# Altium PCB Monitor_Board.PcbDoc (part 5 of 5)
Units mm, origin at the board's own origin, x right, y up, seen from the top; angles counter-clockwise.
Board outline 99.59 x 64.16 mm, 4 copper layers (Top Layer, GND02, PWR03, Bottom Layer), stack 0.603 mm thick; 84 components, 146 nets, 502 pads, 244 vias.
Unrouted connection lines stored in the file: 39.
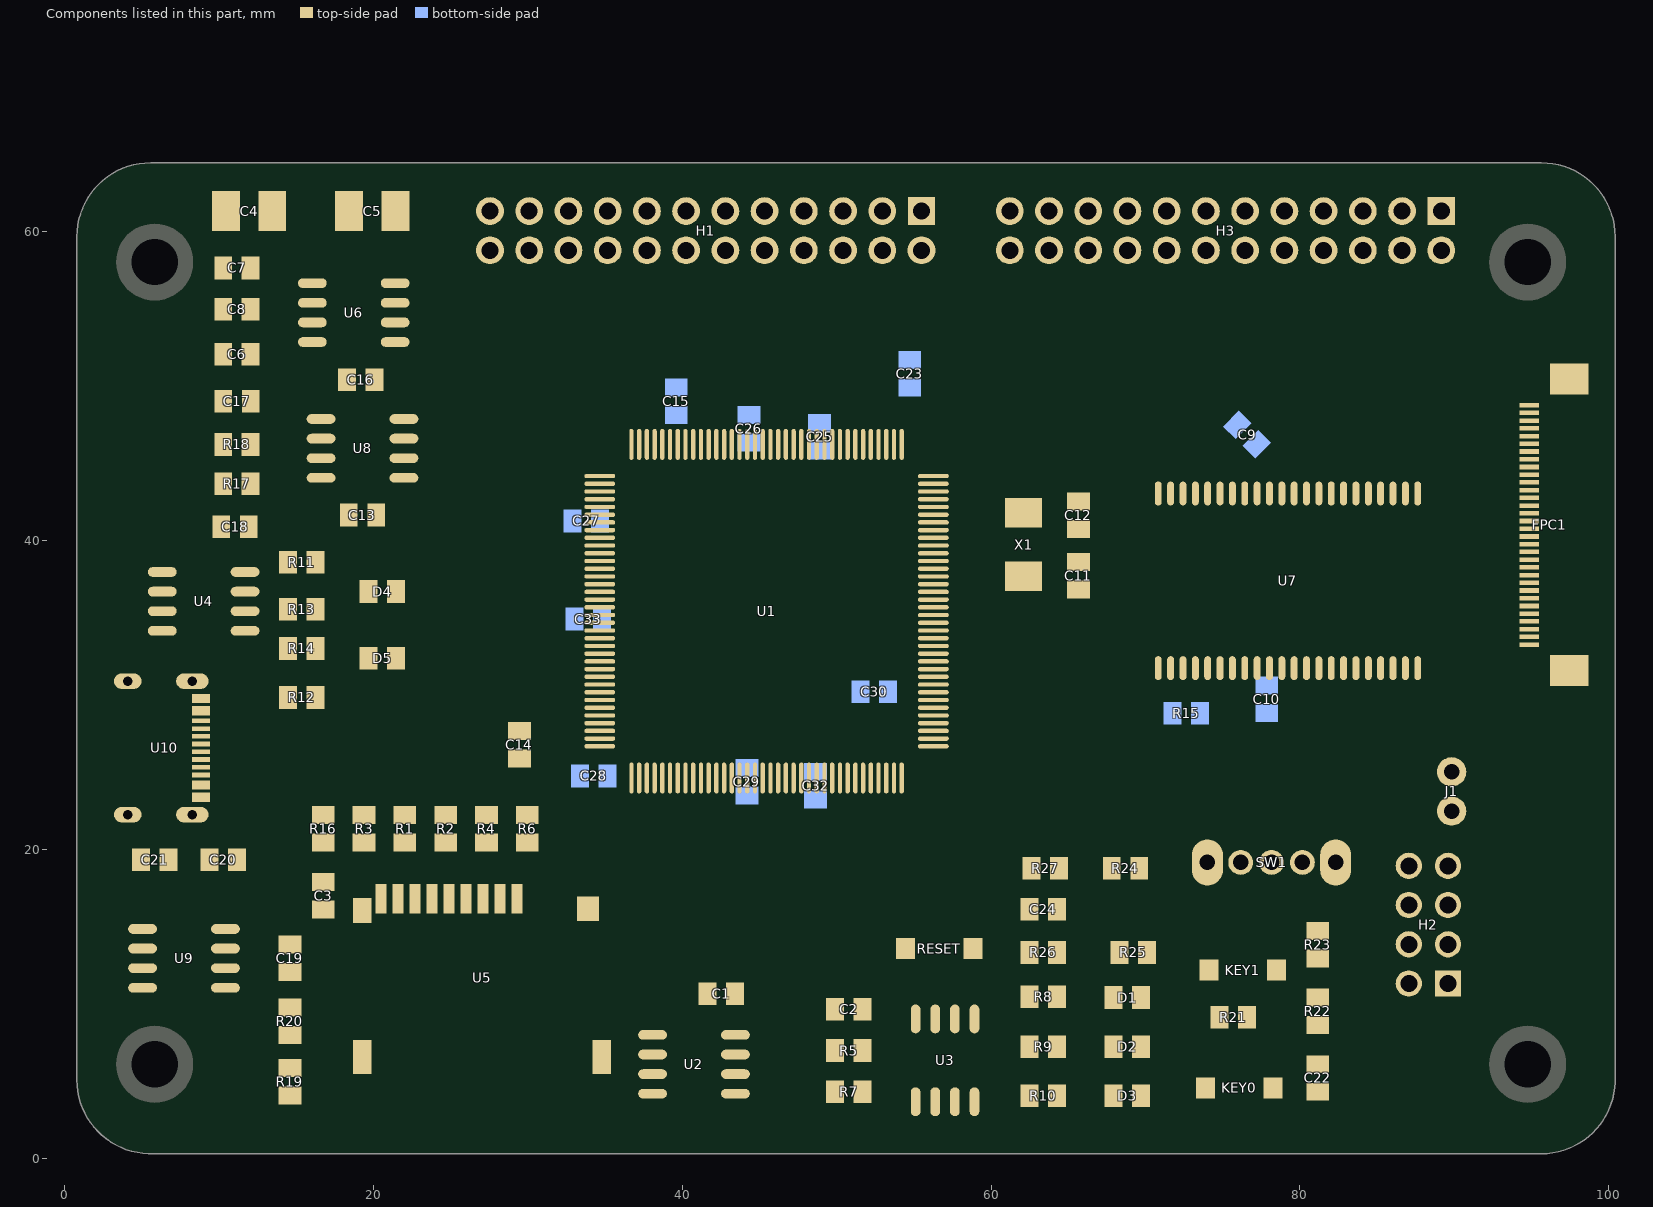
[diagram p7: the components of this part, seen from the top]

## Silkscreen, mask and mechanical layers (free items; w line width, h text height)
Top Overlay:
  lines w0.152: 17.137,33.02 18.034,33.02 18.034,31.369 ; 17.138,35.56 17.907,35.56 17.907,39.37 18.161,39.37
  text "+5V" at 54.737,56.642 h1.02
  text "PB10" at 44.323,56.515 h1.02
  text "PC4" at 46.99,56.515 h1.02
  text "PA6" at 49.53,56.515 h1.02
  text "PA4" at 52.07,56.515 h1.02
  text "PA2" at 60.579,56.515 h1.02
  text "PA0" at 63.119,56.515 h1.02
  text "PC2" at 65.532,56.515 h1.02
  text "PC0" at 68.199,56.515 h1.02
  text "GND" at 75.565,56.515 h1.02
  text "+5V" at 78.232,56.515 h1.02
  text "+5V" at 80.899,56.515 h1.02
  text "PC14" at 83.185,56.515 h1.02
  text "VBAT" at 85.852,56.515 h1.02
  text "PE5" at 88.646,56.515 h1.02
  text "PC6" at 26.67,56.388 h1.02
  text "PG7" at 29.21,56.388 h1.02
  text "PA15" at 31.623,56.388 h1.02
  text "PD6" at 34.29,56.388 h1.02
  text "PG9" at 36.703,56.388 h1.02
  text "PG13" at 39.37,56.388 h1.02
  text "PB6" at 42.037,56.388 h1.02
  text "GND" at 54.61,55.753 h1.02
  text "PA5" at 49.53,55.626 h1.02
  text "PA3" at 52.07,55.626 h1.02
  text "PF8" at 68.199,55.626 h1.02
  text "3V3" at 75.692,55.626 h1.02
  text "GND" at 78.359,55.626 h1.02
  text "GND" at 80.899,55.626 h1.02
  text "PC13" at 83.185,55.626 h1.02
  text "PE6" at 86.106,55.626 h1.02
  text "PE4" at 88.646,55.626 h1.02
  text "PD7" at 34.29,55.499 h1.02
  text "PG11" at 36.576,55.499 h1.02
  text "PG15" at 39.37,55.499 h1.02
  text "PB7" at 42.037,55.499 h1.02
  text "PC5" at 44.45,55.499 h1.02
  text "PA7" at 46.99,55.499 h1.02
  text "PA1" at 60.579,55.499 h1.02
  text "PC3" at 63.119,55.499 h1.02
  text "PC1" at 65.659,55.499 h1.02
  text "PG8" at 26.67,55.372 h1.02
  text "PG6" at 29.21,55.372 h1.02
  text "PD3" at 31.75,55.372 h1.02
  text "GND" at 73.279,54.61 h1.02
  text "PF7" at 70.485,54.483 h1.02
  text "3V3" at 73.355,53.645 h1.02
  text "PF6" at 70.51,53.607 h1.02
  text "OFF" at 74.041,21.971 h1.02
  text "ON" at 80.772,21.971 h1.02
Bottom Overlay:
  text "DC5V-" at 98.552,24.384 h1.27
  text "DC5V+" at 98.552,21.717 h1.27
  text "TCK/RST" at 99.06,18.288 h1.27
  text "TMS/GND" at 99.06,15.875 h1.27
  text "CAN2H/L" at 99.187,13.335 h1.27
  text "CAN1L/H" at 99.187,10.795 h1.27
Mechanical 1:
  lines w0.152: 5.461,0.381 95.631,0.381 ccw(c95.631,5.08) 100.33,5.08 ; 5.588,0.381 cw(c5.588,5.08) 0.889,5.08 0.889,5.715 0.889,59.69 cw(c5.588,59.69) 5.588,64.389 95.631,64.389 cw(c95.631,59.69) 100.33,59.69 100.33,4.953
Drill Drawing:
  text ".legend" at 106.68,35.179 h1.02